# Allegro board RK_EVB7_RK3588_LP4XD200P232SD8_V11_20230111YWQ.brd (continued)
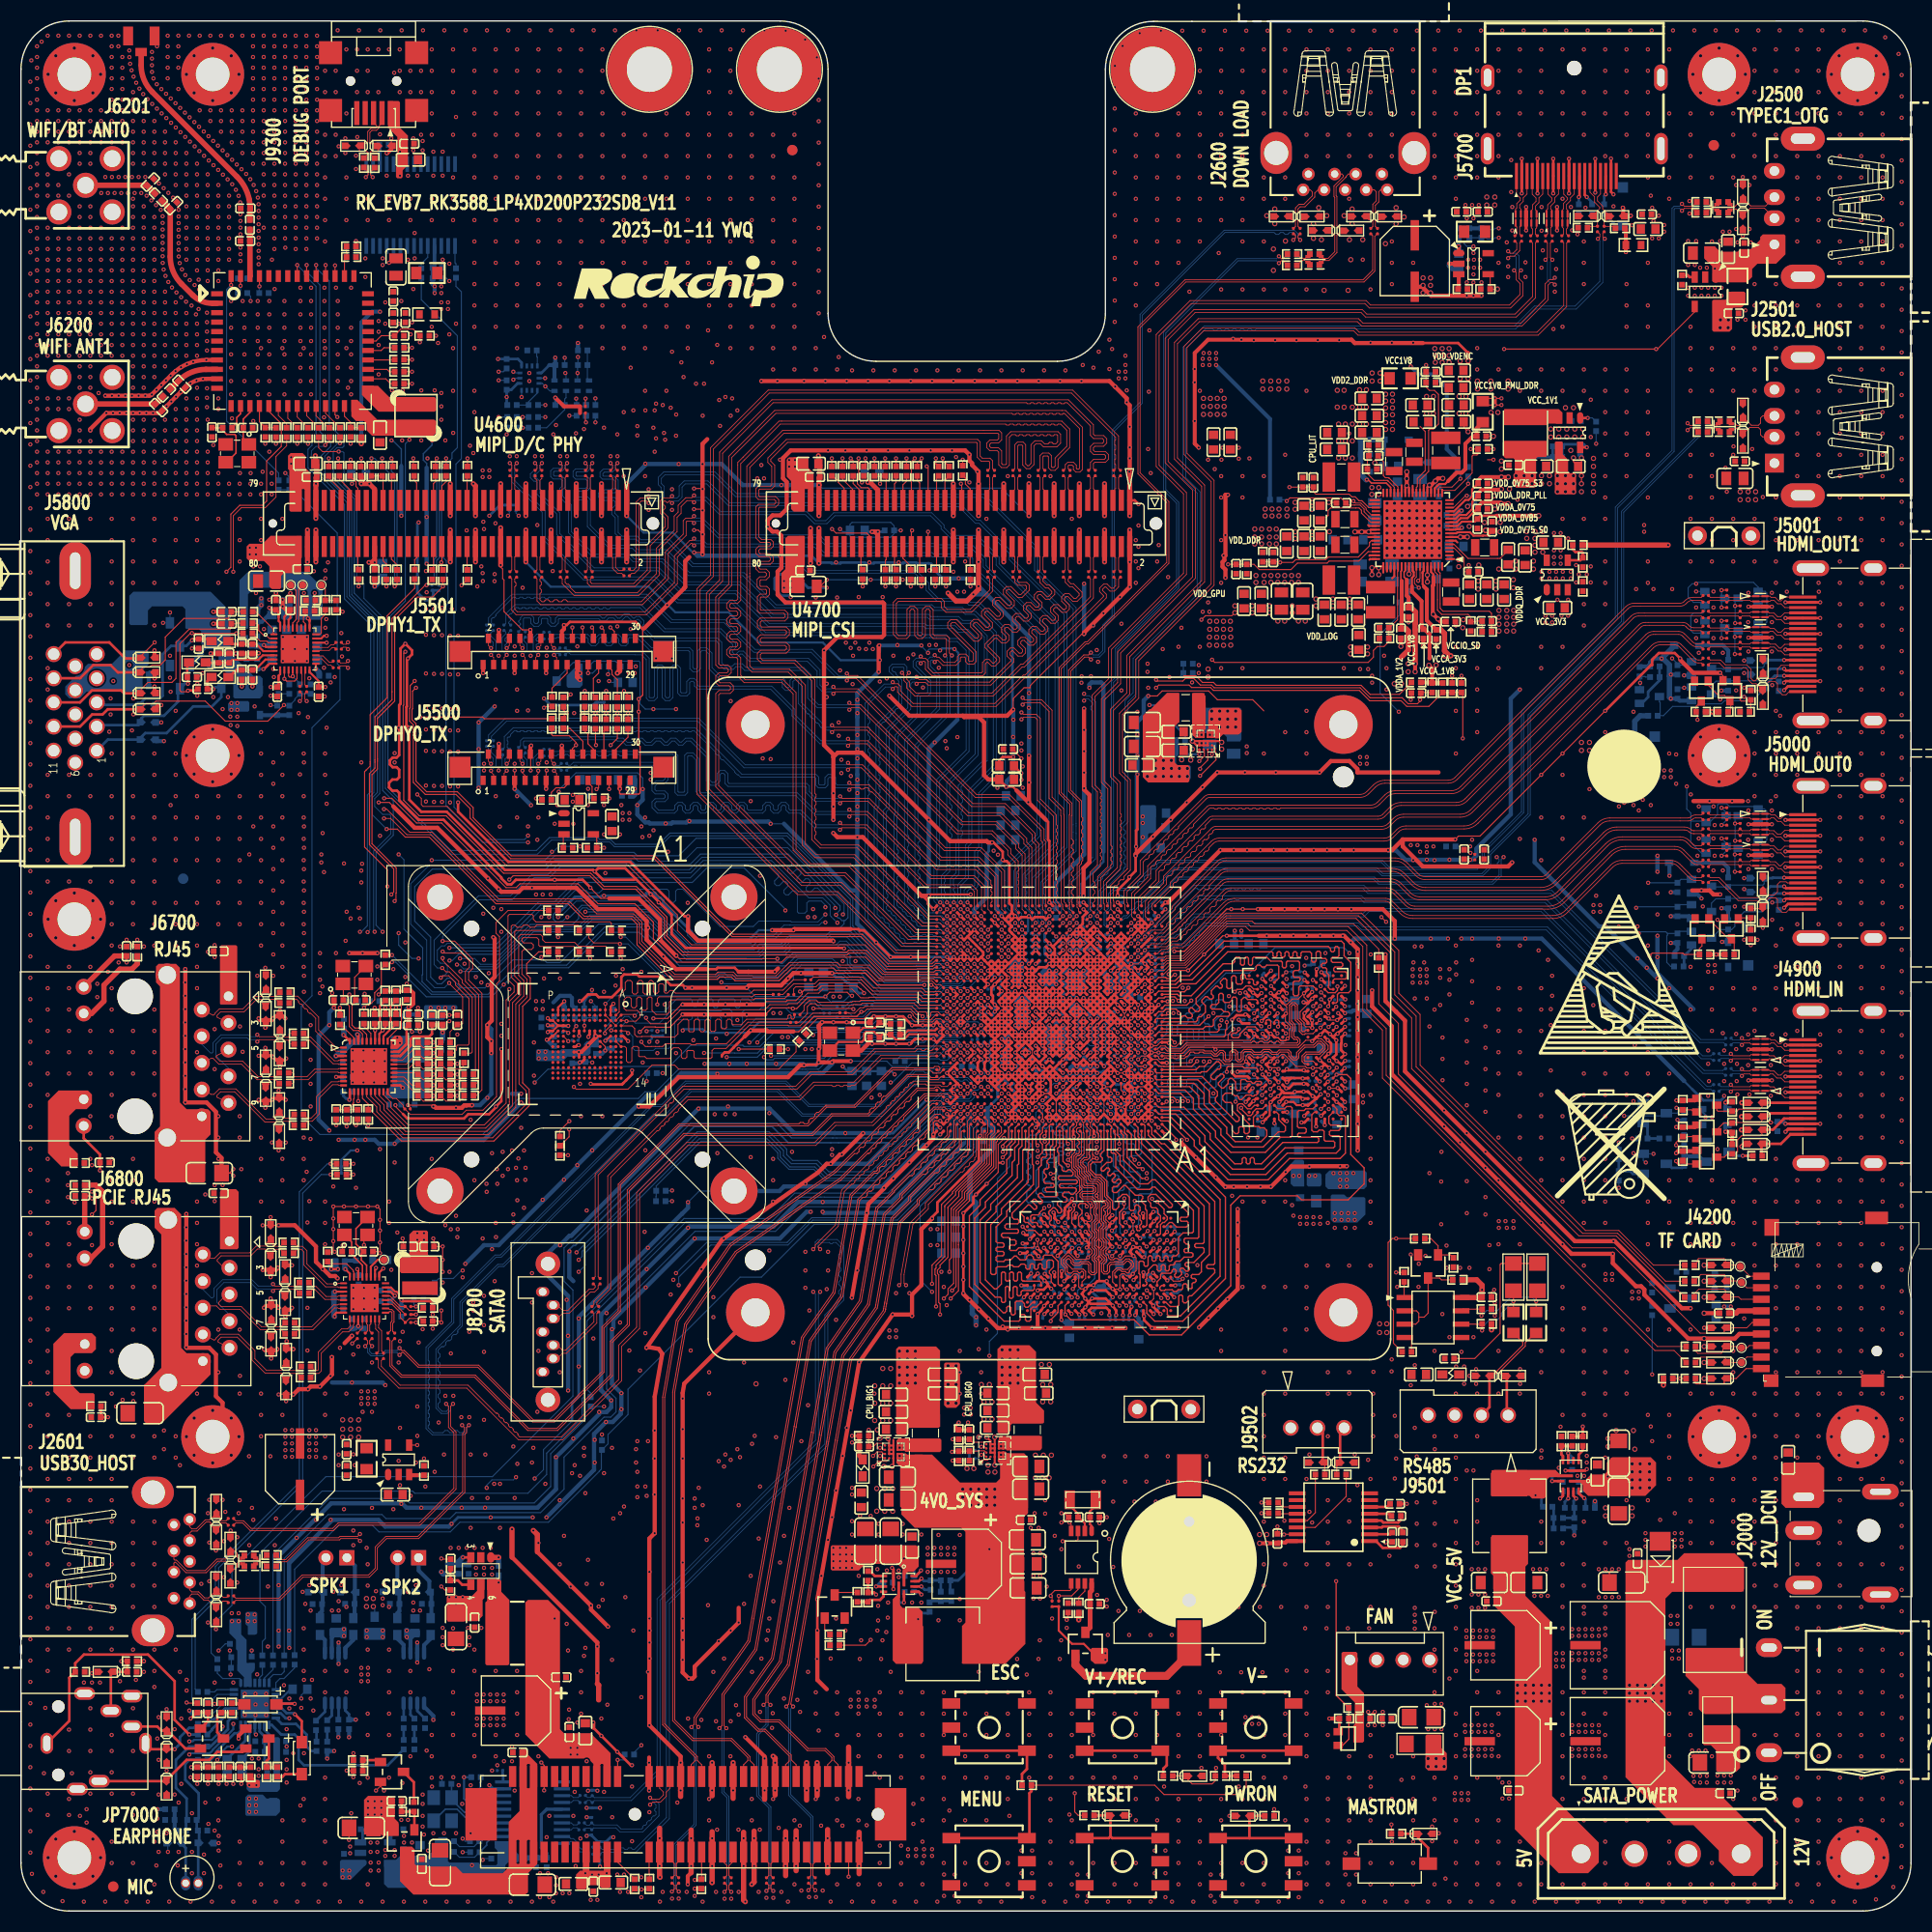
[diagram p0: board, top side]
## Routing (per net, layer and track width the routed paths; a pad name or vN(x,y) marks a point on that pad's centre or on a via; arc(x,y) is an arc through that point) (continued)
GMAC1_RXDV_CRS: length 77.9
  TOP w0.086: R6741.2 41.17,81.7 41.48,82.01 41.48,82.36 41.58,82.46 42.56,82.46 42.66,82.57 42.66,86.89 41.37,88.18 41.37,88.43 40.74,89.07 40.16,89.07 v1(39.98,88.89)
  TOP w0.089: v1(90.14,92.15) U1000.AH29
  L3-POWER1 w0.079: v1(76.61,95.6) 76.99,95.98 77.36,95.98 85.65,95.98 87.2,94.43 88.33,94.43 88.52,94.24 88.52,93.97 88.71,93.78 88.98,93.78 89.17,93.59 89.17,93.32 89.36,93.13 89.63,93.13 90.14,92.61 v1(90.14,92.15)
  BOTTOM w0.086: v1(76.61,95.6) 76.61,95.8 76.22,96.18 75.02,96.18 74.84,96 74.84,95.22 74.66,95.04 74.07,95.04 73.94,95.16 73.94,96.94 73.73,97.15 73.47,97.15 73.09,96.78 72.84,96.78 72.65,96.96 72.65,97.22 73.03,97.59 73.03,97.85 72.85,98.04 72.59,98.04 72.21,97.66 71.95,97.66 71.77,97.84 71.77,98.1 72.14,98.48 72.14,98.74 71.15,99.74 66.62,99.74 65.09,99.74 63.75,98.39 53.1,98.39 50.81,96.11 49.3,96.11 45.24,92.04 41.13,92.04 41,92.17 40.6,92.17 40.35,91.91 40.05,91.91 39.65,91.52 39.65,90.57 39.95,90.26 40.36,90.26 40.61,90.01 40.61,89.39 40.35,89.12 40.34,89.12 40.28,89.07 40.16,89.07 v1(39.98,88.89)
GMAC1_TXCLK: length 34.5
  TOP w0.086: R1514.2 46.38,95.29 45.24,94.15 45.24,93.12 45.57,92.79 45.57,88.58 45.29,88.31 45.29,77.56 43.99,76.27 42.41,76.27 42,75.86 37.09,75.86 C6713.1 36.56,76.4 36.4,76.56 36.4,76.73 35.74,77.38 35.4,77.38 34.92,77.86 U6700.20
GMAC1_TXD0: length 40.1
  TOP w0.086: U6700.18 34.12,77.65 34.88,76.9 34.88,76.43 36.74,74.56 44.25,74.56 46.51,76.81 46.51,77.07 46.51,77.07 46.51,86.63 47.27,87.39 47.27,88.36 46.69,88.94 46.69,93.79 46.79,93.89 47.04,93.89 47.24,93.69 47.66,93.69 47.86,93.89 48.29,93.89 48.49,93.69 48.91,93.69 49.11,93.89 53.06,93.89 53.17,93.79 R1515.2
GMAC1_TXD1: length 36.6
  TOP w0.086: U6700.17 33.72,77.62 34.57,76.77 34.57,76.3 36.62,74.25 44.38,74.25 46.82,76.69 46.82,77.2 46.82,86.5 47.58,87.27 47.58,88.49 47.02,89.05 47.02,93.26 47.14,93.39 R1516.2
GMAC1_TXD2: length 43.6
  TOP w0.086: R1512.2 55.68,91.89 53.08,91.89 52.73,92.24 49.94,92.24 49.68,92.5 49.68,92.8 49.48,93 47.6,93 47.4,92.8 47.4,89.1 47.88,88.61 47.88,87.14 47.12,86.38 47.12,78.15 47.12,76.56 44.51,73.94 36.49,73.94 34.19,76.25 34.19,76.71 33.32,77.58 U6700.16
GMAC1_TXD3: length 43.6
  TOP w0.086: U6700.15 32.92,77.55 33.88,76.59 33.88,76.12 36.36,73.64 44.91,73.64 48.09,76.81 48.09,78.12 47.43,78.78 47.43,86.25 48.19,87.01 48.19,88.74 47.7,89.23 47.7,91.39 47.89,91.57 48.61,91.57 48.79,91.75 48.79,92.01 48.61,92.19 47.89,92.19 47.7,92.38 47.7,92.59 47.81,92.7 49.13,92.7 49.31,92.51 49.31,91.97 49.42,91.86 52.66,91.86 R1513.2
GMAC1_TXEN: length 43.9
  TOP w0.086: R1517.2 56.22,94.09 56.11,94.2 49.05,94.2 48.79,94.45 48.79,94.78 48.67,94.91 46.51,94.91 46.38,94.78 46.38,88.69 46.96,88.1 46.96,87.52 46.2,86.76 46.2,76.94 44.13,74.87 36.87,74.87 35.2,76.53 35.2,77.06 34.52,77.74 U6700.19
GPIO1_C4: length 38
  TOP w0.089: U1000.E30 v1(89.49,76.55)
  BOTTOM w0.089: 86.42,74.62 86.8,75.01 86.8,75.24 87.53,75.97 87.53,76.24 87.91,76.62 88.45,76.62 88.71,76.88 89.17,76.88 v1(89.49,76.55)
  BOTTOM w0.104: R1530.1 60.48,68.03 60.5,68.05 R1531.1 60.5,69.05 64.77,73.32 70.96,73.32 72.08,72.21 72.08,71.7 73.14,70.63 75.51,70.63 76.59,69.55 80.98,69.55 80.98,69.55 81.17,69.55 81.17,69.55 81.35,69.55 86.42,74.62
GPIO1_C7: length 130.3
  TOP w0.104: U4700.49 86.39,137.45 v1(86.26,137.58)
  L3-POWER1 w0.104: v1(55.52,48.05) 55.52,51.86 58.75,55.08 58.75,63.07 60,64.33 60,69.45 60.33,69.77 60.33,76.37 63.59,79.63 63.59,83.22 63.8,83.42 63.8,86.8 62.89,87.71 62.89,91.28 61.78,92.39 61.64,92.53 61.64,92.94 61.13,93.45 61.13,94.34 61.64,94.85 61.64,100.25 61.91,100.52 62.08,100.69 62.08,113.5 61.18,114.4 61.18,120.25 60.65,120.78 60.65,127.72 61.31,128.39 61.31,137.43 60.97,137.78 60.97,140.49 61.24,140.76 v1(61.24,140.77)
  L6-S2 w0.104: v1(86.26,137.58) 86.26,138.6 84.8,140.05 66.08,140.05 66.01,140.12 62,140.12 61.36,140.77 v1(61.24,140.77)
  BOTTOM w0.104: v1(55.52,48.05) R1535.2
GPIO1_D4: length 131.1
  TOP w0.104: U4700.53 84.79,138.02 v1(85.12,138.34)
  L3-POWER1 w0.104: v1(55.33,45.38) 55.38,45.38 59.99,49.99 59.99,60.47 60.24,60.71 60.24,69.35 60.56,69.68 60.56,76.27 63.88,79.59 63.88,81.19 64.67,81.98 64.67,89.83 61.87,92.63 61.87,93.04 61.36,93.55 61.36,94.24 61.87,94.75 61.87,100.16 62.01,100.29 62.31,100.6 62.31,113.59 61.41,114.5 61.41,120.4 60.88,120.93 60.88,127.62 61.59,128.33 61.59,128.52 61.55,128.57 61.55,137.53 61.35,137.73 v1(61.35,140.12)
  L6-S2 w0.104: v1(85.12,138.34) 85.12,139.23 84.53,139.82 65.98,139.82 65.92,139.89 61.58,139.89 v1(61.35,140.12)
  BOTTOM w0.104: R1534.2 v1(55.33,45.38)
GPIO1_D5: length 47.6
  TOP w0.089: U1000.G26 v1(92.09,78.5)
  TOP w0.104: R1532.1 R1533.1 52.2,73.74 v1(52.2,74.44)
  L6-S2 w0.089: v1(92.09,78.5) 91.77,78.18 91.31,78.18 91.12,77.99 91.12,77.72 91.12,77.72 91.12,77.57 90.8,77.26 88.8,77.26 88.16,76.62 87.25,76.62 86.42,75.79
  L6-S2 w0.104: v1(52.2,74.44) 52.55,74.44 52.88,74.78 72.59,74.78 76.65,70.72 81.35,70.72 86.42,75.79
GPIO4_C2: length 111.7
  TOP w0.089: U1000.AE31 v1(88.84,90.2)
  L6-S2 w0.104: v1(36.99,140.12) 37.5,140.63 40.48,140.63 41.75,141.9 47.4,141.9 v1(47.78,142.28)
  BOTTOM w0.089: 86.46,90.37 87.43,90.37 87.59,90.53 88.52,90.53 v1(88.84,90.2)
  BOTTOM w0.104: v1(36.99,140.12) 36.6,139.74 36.6,124.76 34.95,123.1 34.95,106.99 40.94,101 49.1,101 50.32,102.22 52.09,102.22 54.94,102.22 55.12,102.04 56.16,102.04 56.61,101.59 60.73,101.59 61.8,102.66 73,102.66 79.22,96.44 79.22,93.81 82.66,90.37 86.46,90.37 ; R1924.1 v1(47.78,142.28) R9011.2
GPIO4_C6: length 102.4
  TOP w0.089: 80.16,93 82.7,90.46 86.64,90.46 87.02,90.85 87.55,90.85 U1000.AF33
  TOP w0.104: 80.16,93 80.14,93.03 67.82,93.03 60.35,100.5 46.69,100.5 43.06,104.12 43.06,105.08 41.55,106.59 38.63,106.59 37.62,107.6 37.62,113.07 37.24,113.45 37.24,114.44 37.29,114.5 37.29,116.18 v1(37.62,116.5)
  L3-POWER1 w0.104: v1(37.62,116.5) 37.55,116.56 37.55,116.67 37.87,116.98 37.87,131.62 37.43,132.06 37.43,133.96 38.76,135.3 38.76,137.58 39.14,137.96 39.14,139.23 39.65,139.74 39.65,140.25 40.17,140.77 v1(41.16,140.77)
  L6-S2 w0.104: v1(47.78,141.26) 47.4,141.65 42.06,141.65 41.17,140.76 41.17,140.77 v1(41.16,140.77)
  BOTTOM w0.104: R9010.2 v1(47.78,141.26) R1923.1
GSENSOR_INT: length 4.4
  L3-POWER1 w0.104: v1(47.67,144.19) 49.58,142.28 v1(49.94,142.28)
  BOTTOM w0.104: U9000.4 v1(47.67,144.19) ; R9011.1 v1(49.94,142.28)
HDMI0_EARC+: length 11.5
  TOP w0.076: J5000.14 168.22,97.91 168.11,98.02 167.52,98.02 167.28,97.78 167.28,97.07 166.99,96.77 166.33,96.77 ED5005.1 165.87,97.2 165.66,96.99 165.66,96.71 165.46,96.51 163.65,96.51 161.75,98.41 160.88,98.41 C5000.2
HDMI0_EARC-: length 13.2
  TOP w0.076: ED5006.1 166.27,95.95 166.27,96.28 166.48,96.49 167.11,96.49 167.28,96.32 167.28,95.56 167.74,95.1 168.1,95.1 168.41,95.41 J5000.19 ; ED5006.1 165.66,95.75 165.66,96.03 165.46,96.23 163.54,96.23 161.63,98.14 160.88,98.14 C5001.2 ; ED5006.1 165.81,95.49 R5016.2
HDMI0_TX0N_PORT: length 9.6
  TOP w0.076: J5000.9 167.98,100.41 167.62,100.77 167.23,100.77 166.84,101.16 166.57,101.16 166.46,101.05 ED5001.9 ED5001.2 164.76,101.05 164.65,101.16 162.62,101.16 R5013.1 162.28,101.18 160.88,101.18 C5007.2
HDMI0_TX0N_PORT/EDP0_TX_D0N: length 57.2
  TOP w0.076: C5007.1 160.03,101.18 159.54,101.18 arc(159.26,101.24) 159.03,101.39 158.65,101.77 arc(158.38,101.96) 158.05,102.02 152.51,102.02 arc(151.75,101.87) 151.1,101.44 146.53,96.86 arc(145.91,96.45) 145.19,96.31 133.22,96.31 arc(132.65,96.42) 132.16,96.74 131.24,97.66 arc(130.84,97.93) 130.37,98.03 114.95,98.03 arc(114.68,97.97) 114.46,97.82 111.04,94.41 111.04,94.35 111.04,94.35 111.04,94.3 110.88,94.13 110.83,94.13 110.77,94.13 110.61,93.97 110.61,93.91 110.61,93.91 110.61,93.86 110.44,93.7 110.39,93.7 110.33,93.7 110.17,93.53 110.17,93.48 110.17,93.48 110.17,93.42 110.01,93.26 109.95,93.26 109.89,93.26 109.77,93.13 109.67,93.13 109.03,92.49 108.68,92.49 U1000.AJ1
HDMI0_TX0P_PORT: length 9.6
  TOP w0.076: C5006.2 160.88,101.46 162.28,101.46 R5014.1 162.66,101.44 164.65,101.44 164.76,101.55 ED5001.1 ED5001.10 166.46,101.55 166.57,101.44 166.95,101.44 167.34,101.05 167.61,101.05 167.97,101.41 J5000.7
HDMI0_TX0P_PORT/EDP0_TX_D0P: length 57.7
  TOP w0.076: U1000.AJ2 108.2,92.66 108.31,92.77 108.91,92.77 109.55,93.41 109.65,93.41 114.26,98.02 arc(114.57,98.23) 114.95,98.31 130.37,98.31 arc(130.95,98.19) 131.44,97.86 132.36,96.94 arc(132.75,96.68) 133.22,96.59 145.19,96.59 arc(145.81,96.71) 146.33,97.06 150.91,101.64 arc(151.64,102.13) 152.51,102.3 158.05,102.3 arc(158.48,102.21) 158.85,101.97 159.23,101.59 arc(159.37,101.5) 159.54,101.46 160.03,101.46 C5006.1
HDMI0_TX1N_PORT: length 9.6
  TOP w0.076: J5000.6 169.19,101.91 167.98,101.91 167.62,102.27 167.17,102.27 166.84,102.61 166.5,102.61 166.39,102.49 ED5000.6 ED5000.5 164.76,102.49 164.65,102.61 163.91,102.61 163.73,102.43 R5011.1 163.55,102.61 160.88,102.61 C5005.2
HDMI0_TX1N_PORT/EDP0_TX_D1N: length 58.6
  TOP w0.076: C5005.1 160.03,102.61 159.35,102.61 arc(159.34,102.61) 159.33,102.61 159.26,102.61 arc(159.06,102.65) 158.9,102.76 158.89,102.77 arc(158.68,102.91) 158.43,102.96 151.99,102.96 arc(151.41,102.84) 150.92,102.51 146.23,97.82 arc(145.54,97.36) 144.73,97.2 133.78,97.2 arc(133.04,97.34) 132.42,97.76 131.57,98.61 arc(131.12,98.91) 130.58,99.02 114.9,99.02 arc(114.56,98.95) 114.27,98.76 113.17,97.66 113.17,97.44 113.01,97.28 112.79,97.28 112.63,97.12 112.63,96.9 112.47,96.74 112.25,96.74 112.09,96.58 112.09,96.36 111.93,96.19 111.71,96.19 111.55,96.03 111.55,95.81 111.38,95.65 111.17,95.65 111,95.49 111,95.27 110.84,95.11 110.62,95.11 110.46,94.95 110.46,94.73 110.3,94.57 110.08,94.57 109.92,94.41 109.92,94.19 109.76,94.02 109.54,94.02 109.4,93.88 109.4,93.7 108.82,93.13 U1000.AK2
HDMI0_TX1P_PORT: length 9.6
  TOP w0.076: C5004.2 160.88,102.89 163.55,102.89 R5012.1 163.73,103.06 163.91,102.88 164.65,102.88 164.76,102.99 ED5000.4 ED5000.7 166.41,102.99 166.52,102.88 166.95,102.88 167.29,102.55 167.61,102.55 167.97,102.91 169.32,102.91 J5000.4
HDMI0_TX1P_PORT/EDP0_TX_D1P: length 58.5
  TOP w0.076: U1000.AK3 107.55,93.31 107.66,93.42 108.72,93.42 109.12,93.82 109.12,94 114.07,98.95 arc(114.45,99.21) 114.9,99.3 130.58,99.3 arc(131.22,99.17) 131.77,98.81 132.61,97.96 arc(133.15,97.6) 133.78,97.48 144.73,97.48 arc(145.43,97.62) 146.03,98.01 150.72,102.71 arc(151.3,103.1) 151.99,103.23 158.43,103.23 arc(158.79,103.16) 159.09,102.96 159.09,102.96 arc(159.17,102.9) 159.26,102.89 159.35,102.89 159.35,102.89 160.03,102.89 C5004.1
HDMI0_TX2N_PORT: length 9.6
  TOP w0.076: C5003.2 160.88,104.1 162.28,104.1 R5009.1 162.64,104.1 164.65,104.1 164.76,103.99 ED5000.2 ED5000.9 166.55,103.99 166.66,104.1 166.95,104.1 167.29,103.77 167.62,103.77 167.98,103.41 J5000.3
HDMI0_TX2N_PORT/EDP0_TX_D2N: length 57.5
  TOP w0.076: C5003.1 160.03,104.1 159.49,104.1 arc(159.34,104.08) 159.22,103.99 arc(159.02,103.86) 158.8,103.82 151.31,103.82 arc(150.81,103.72) 150.38,103.43 145.67,98.73 145.44,98.49 arc(145.15,98.3) 144.81,98.23 133.71,98.23 arc(133.25,98.32) 132.87,98.58 131.84,99.6 arc(131.39,99.9) 130.86,100.01 114.74,100.01 arc(114.38,99.94) 114.07,99.73 109.9,95.56 109.9,95.37 108.54,94.01 108.54,93.9 U1000.AL1
HDMI0_TX2P_PORT: length 9.6
  TOP w0.076: C5002.2 160.88,104.38 162.28,104.38 R5010.1 162.64,104.38 164.59,104.38 164.7,104.49 ED5000.1 ED5000.10 166.55,104.49 166.66,104.38 167.07,104.38 167.4,104.05 167.61,104.05 167.97,104.41 J5000.1
HDMI0_TX2P_PORT/EDP0_TX_D2P: length 58
  TOP w0.076: U1000.AL2 108.21,93.98 108.21,94.07 109.62,95.48 109.62,95.68 113.88,99.93 arc(114.27,100.19) 114.74,100.29 130.86,100.29 arc(131.5,100.16) 132.04,99.8 133.07,98.78 arc(133.36,98.58) 133.71,98.51 144.81,98.51 arc(145.04,98.56) 145.24,98.69 145.48,98.93 150.18,103.63 arc(150.7,103.98) 151.31,104.1 158.8,104.1 arc(158.92,104.12) 159.02,104.19 arc(159.23,104.33) 159.49,104.38 160.03,104.38 C5002.1
HDMI0_TX3N_PORT: length 9.6
  TOP w0.076: C5009.2 160.9,99.66 163.55,99.66 R5007.1 163.91,99.66 164.65,99.66 164.76,99.55 ED5001.5 ED5001.6 166.46,99.55 166.56,99.65 166.98,99.65 167.36,99.27 167.62,99.27 167.98,98.91 169.44,98.91 169.44,98.91 J5000.12
HDMI0_TX3N_PORT/EDP0_TX_D3N: length 58.8
  TOP w0.076: C5009.1 160,99.66 159.6,99.66 arc(159.37,99.7) 159.17,99.84 158.17,100.84 arc(157.86,101.04) 157.51,101.11 152.81,101.11 arc(152.09,100.97) 151.49,100.56 146.98,96.05 arc(146.27,95.58) 145.44,95.42 132.76,95.42 arc(132.26,95.52) 131.83,95.8 130.83,96.81 130.75,96.89 arc(130.45,97.09) 130.09,97.16 115.22,97.16 arc(114.94,97.11) 114.7,96.95 114.42,96.67 114.42,96.4 114.26,96.24 113.99,96.24 113.83,96.08 113.83,95.81 113.67,95.65 113.4,95.65 113.24,95.49 113.24,95.22 113.08,95.06 112.81,95.06 112.65,94.9 112.65,94.63 112.49,94.47 112.23,94.47 112.06,94.31 112.06,94.05 111.9,93.88 111.64,93.88 111.51,93.76 111.51,93.62 111.35,93.46 111.21,93.46 111.05,93.3 111.05,93.16 110.89,93 110.75,93 110.59,92.83 110.59,92.7 110.43,92.54 110.29,92.54 110.12,92.37 109.67,92.37 109.13,91.84 108.03,91.84 U1000.AH2
HDMI0_TX3P_PORT: length 9.6
  TOP w0.076: C5008.2 160.85,99.94 163.55,99.94 R5008.1 163.91,99.94 164.65,99.94 164.76,100.05 ED5001.4 ED5001.7 166.46,100.05 166.58,99.93 167.09,99.93 167.47,99.55 167.61,99.55 167.97,99.91 169.19,99.91 J5000.10
HDMI0_TX3P_PORT/EDP0_TX_D3P: length 58.5
  TOP w0.076: U1000.AH3 107.55,92.01 107.65,92.12 107.89,92.12 107.9,92.12 108.14,92.12 108.14,92.12 109.02,92.12 109.55,92.65 110.01,92.65 114.5,97.14 arc(114.83,97.36) 115.22,97.44 130.09,97.44 arc(130.55,97.35) 130.95,97.08 131.03,97 132.03,96 arc(132.37,95.78) 132.76,95.7 145.44,95.7 arc(146.17,95.84) 146.78,96.25 151.29,100.76 arc(151.99,101.23) 152.81,101.39 157.51,101.39 arc(157.97,101.3) 158.37,101.03 159.37,100.03 arc(159.47,99.96) 159.6,99.94 160.05,99.94 C5008.1
HDMI0_TX_CEC_PORT: length 9.4
  TOP w0.254: J5000.13 v1(167.92,98.41)
  BOTTOM w0.104: Q5002.3 161.06,97.53 R5018.2 162.76,97.7 165.89,97.7 166.01,97.83 ED5004.1
  BOTTOM w0.254: v1(167.92,98.41) 166.84,98.41 166.8,98.37 166.04,98.37 ED5004.1
HDMI0_TX_ON_H: length 95.3
  TOP w0.089: U1000.AL24 v1(93.39,94.1)
  L6-S2 w0.089: 93.08,96.28 93.08,94.9 93.07,94.89 93.07,94.62 93.26,94.43 93.28,94.43 93.39,94.32 v1(93.39,94.1)
  L6-S2 w0.104: v1(158.65,107.1) 158.27,106.72 154.87,106.72 154.49,107.1 154.17,107.1 154.15,107.08 151.25,107.08 150.51,106.34 130.05,106.34 129.22,105.51 112.13,105.51 111.68,105.96 111.41,106.24 105.15,106.24 104.4,105.49 99.45,105.49 94.61,100.65 94.61,97.95 93.08,96.42 93.08,96.28
  BOTTOM w0.104: 159.03,103.8 160.35,103.8 Q5004.1 160.79,103.66 161.57,104.43 161.57,105.35 161.67,105.45 162.46,105.45 162.71,105.2 165.2,105.2 Q5005.1 166.04,104.96 166.27,104.73 166.27,102.02 166.11,101.86 Q5003.1 ; 159.03,103.8 159.03,104.56 158.65,104.94 v1(158.65,107.1) ; 159.03,103.8 159.03,101.77 159.16,101.64 160.06,100.74 Q5006.1
HDMI0_TX_SBDN/EDP0_TX_AUXN: length 56.9
  TOP w0.076: U1000.AG1 108.79,91.3 109.29,91.3 109.73,91.75 109.85,91.75 109.96,91.75 110.08,91.75 110.08,91.75 110.12,91.75 110.13,91.73 110.64,91.73 114.75,95.84 arc(115.11,96.08) 115.53,96.17 129.95,96.17 arc(130.18,96.12) 130.38,95.99 131.35,95.01 arc(131.89,94.65) 132.52,94.53 145.9,94.53 arc(146.65,94.68) 147.28,95.1 151.59,99.41 arc(152,99.68) 152.47,99.78 157.12,99.78 arc(157.49,99.7) 157.79,99.5 157.98,99.32 158.93,98.36 arc(159.18,98.19) 159.48,98.14 160.02,98.14 C5001.1
HDMI0_TX_SBDP/EDP0_TX_AUXP: length 57.6
  TOP w0.076: U1000.AG2 108.22,91.18 108.63,91.58 109.17,91.58 109.62,92.03 109.96,92.03 109.96,92.03 110.08,92.03 110.19,92.03 110.19,92.03 110.24,92.03 110.25,92.01 110.53,92.01 114.55,96.04 arc(115,96.34) 115.53,96.45 129.95,96.45 arc(130.29,96.38) 130.58,96.19 131.55,95.21 arc(132,94.91) 132.52,94.81 145.9,94.81 arc(146.54,94.94) 147.08,95.3 151.4,99.61 arc(151.89,99.94) 152.47,100.06 157.12,100.06 arc(157.59,99.96) 157.99,99.7 158.17,99.51 159.13,98.56 arc(159.29,98.45) 159.48,98.41 160.02,98.41 C5000.1
HDMI0_TX_SCL_PORT: length 10.4
  TOP w0.254: v1(167.92,97.58) 168.09,97.41 J5000.15
  BOTTOM w0.104: ED5003.1 166.05,96.73 165.76,96.43 162.62,96.43 R5001.2 161.41,96.4 161,95.99 Q5000.3
  BOTTOM w0.254: v1(167.92,97.58) 166.61,97.58 ED5003.1
HDMI0_TX_SDA_PORT: length 11.1
  TOP w0.254: J5000.16 v1(167.92,96.91)
  BOTTOM w0.104: Q5001.3 161.82,93.47 R5004.2 162.92,93.47 163.22,93.77 163.22,94.27 164.11,95.16 165.78,95.16 165.89,95.27 165.89,95.58 ED5002.1
  BOTTOM w0.254: ED5002.1 166.07,95.98 167,96.91 v1(167.92,96.91)
HDMI1_EARC+: length 11.9
  TOP w0.076: J5001.14 167.64,118.64 167.28,118.28 167.28,117.59 167.08,117.39 166.43,117.39 ED5013.1 165.16,117.16 164.99,117.16 164.77,117.38 164.77,118.27 164.35,118.68 162.32,118.68 161.86,119.14 160.88,119.14 C5015.2
HDMI1_EARC-: length 13.3
  TOP w0.076: J5001.19 168.41,116.14 168.1,115.83 167.74,115.83 167.28,116.28 167.28,116.88 167.06,117.11 166.5,117.11 166.14,116.75 166.14,116.51 ED5009.1 ; ED5009.1 165.87,116.27 165.25,116.88 164.87,116.88 164.49,117.26 164.49,118.15 164.24,118.4 162.2,118.4 161.75,118.86 160.88,118.86 C5016.2 ; ED5009.1 164.76,116.23 R5036.2
HDMI1_TX0N_PORT: length 9.6
  TOP w0.076: J5001.9 167.98,121.14 167.62,121.5 167.23,121.5 166.84,121.88 166.57,121.88 166.46,121.77 ED5008.9 ED5008.2 164.76,121.77 164.65,121.88 162.62,121.88 R5033.1 162.28,121.91 160.88,121.91 C5021.2
HDMI1_TX0N_PORT/EDP1_TX_D0N: length 66.7
  TOP w0.076: C5021.1 160,121.94 159.28,121.94 arc(158.98,121.99) 158.73,122.16 158.6,122.29 158.57,122.32 arc(158.43,122.41) 158.27,122.44 154.69,122.44 arc(154.46,122.4) 154.27,122.27 137.89,105.89 137.73,105.73 arc(137.25,105.41) 136.68,105.29 131.43,105.29 arc(130.97,105.2) 130.58,104.94 129.88,104.24 arc(129.59,104.05) 129.25,103.98 113.47,103.98 arc(113.39,103.97) 113.32,103.92 112.8,103.41 112.8,103.16 112.69,103.06 112.57,103.06 112.45,103.06 112.29,102.89 112.29,102.77 112.29,102.65 112.13,102.49 112.01,102.49 111.89,102.49 111.73,102.33 111.73,102.21 111.73,102.21 111.73,102.09 111.57,101.93 111.45,101.93 111.33,101.93 111.16,101.77 111.16,101.65 111.16,101.65 111.16,101.53 111,101.37 110.88,101.37 110.76,101.37 110.6,101.2 110.6,101.08 110.6,100.96 110.44,100.8 110.32,100.8 110.2,100.8 110.04,100.64 110.04,100.52 110.04,100.52 110.04,100.4 109.88,100.24 109.75,100.24 109.64,100.24 109.47,100.08 109.47,99.96 109.47,99.96 109.47,99.84 109.31,99.68 109.19,99.68 109.07,99.68 108.91,99.51 108.91,99.39 108.91,99.27 108.75,99.11 108.63,99.11 108.51,99.11 108.38,98.99 108.38,98.08 106.71,96.42 106.71,95.73 U1000.AP4
HDMI1_TX0P_PORT: length 9.6
  TOP w0.076: C5020.2 160.88,122.19 162.28,122.19 R5034.1 162.66,122.16 164.65,122.16 164.76,122.27 ED5008.1 ED5008.10 166.46,122.27 166.57,122.16 166.95,122.16 167.34,121.78 167.61,121.78 167.97,122.14 J5001.7
HDMI1_TX0P_PORT/EDP1_TX_D0P: length 66.7
  TOP w0.076: C5020.1 160.05,122.21 159.28,122.21 arc(159.09,122.25) 158.92,122.36 158.8,122.49 158.77,122.51 arc(158.54,122.67) 158.27,122.72 154.69,122.72 arc(154.36,122.66) 154.08,122.47 137.69,106.09 137.53,105.93 arc(137.14,105.66) 136.68,105.57 131.43,105.57 arc(130.86,105.46) 130.38,105.14 129.69,104.44 arc(129.49,104.31) 129.25,104.26 113.47,104.26 arc(113.28,104.23) 113.12,104.12 108.1,99.1 108.1,98.2 106.44,96.53 106.44,95.86 106.43,95.85 106.43,95.37 106.53,95.26 U1000.AN4
HDMI1_TX1N_PORT: length 9.6
  TOP w0.076: C5019.2 160.88,123.33 163.55,123.33 R5031.1 163.73,123.15 163.91,123.33 164.65,123.33 164.76,123.22 ED5007.5 ED5007.6 166.39,123.22 166.5,123.33 166.84,123.33 167.17,123 167.62,123 167.98,122.64 J5001.6
HDMI1_TX1N_PORT/EDP1_TX_D1N: length 69.1
  TOP w0.076: U1000.AN5 106.06,95.09 106.06,96.81 107.58,98.33 107.58,99.41 107.72,99.55 107.91,99.55 108.07,99.71 108.07,99.8 108.07,99.9 108.24,100.06 108.43,100.06 108.59,100.22 108.59,100.32 108.59,100.41 108.75,100.58 108.94,100.58 109.1,100.74 109.1,100.83 109.1,100.93 109.27,101.09 109.46,101.09 109.62,101.25 109.62,101.35 109.62,101.44 109.78,101.61 109.97,101.61 110.13,101.77 110.13,101.86 110.13,101.96 110.3,102.12 110.49,102.12 110.65,102.28 110.65,102.38 110.65,102.48 110.81,102.64 111,102.64 111.17,102.8 111.17,102.89 111.16,102.99 111.33,103.15 111.52,103.15 111.68,103.31 111.68,103.41 111.68,103.51 113.15,104.98 arc(113.23,105.03) 113.32,105.04 113.59,105.04 113.7,104.94 113.92,104.94 114.03,105.04 114.25,105.04 114.36,104.94 114.58,104.94 114.69,105.04 114.91,105.04 115.02,104.94 115.24,104.94 115.35,105.04 115.57,105.04 115.68,104.94 115.91,104.94 116.01,105.04 116.24,105.04 116.34,104.94 116.57,104.94 116.67,105.04 116.9,105.04 117,104.94 117.23,104.94 117.33,105.04 117.56,105.04 117.66,104.94 117.89,104.94 117.99,105.04 118.22,105.04 118.32,104.94 118.55,104.94 118.65,105.04 118.88,105.04 118.98,104.94 119.21,104.94 119.31,105.04 119.54,105.04 119.64,104.94 119.87,104.94 119.97,105.04 128.55,105.04 arc(128.99,105.13) 129.37,105.39 130.07,106.09 arc(130.43,106.33) 130.86,106.41 136.18,106.41 arc(136.78,106.53) 137.29,106.87 153.55,123.12 arc(153.78,123.28) 154.05,123.33 160.03,123.33 C5019.1
HDMI1_TX1P_PORT: length 9.6
  TOP w0.076: C5018.2 160.88,123.61 163.55,123.61 R5032.1 163.73,123.79 163.91,123.61 164.65,123.61 164.76,123.72 ED5007.4 ED5007.7 166.41,123.72 166.52,123.61 166.95,123.61 167.29,123.28 167.61,123.28 167.97,123.64 J5001.4
HDMI1_TX1P_PORT/EDP1_TX_D1P: length 68.6
  TOP w0.076: C5018.1 160.03,123.61 154.05,123.61 arc(153.67,123.54) 153.35,123.32 137.09,107.07 arc(136.68,106.79) 136.18,106.69 130.86,106.69 arc(130.33,106.58) 129.88,106.28 129.18,105.58 arc(128.89,105.39) 128.55,105.32 113.32,105.32 arc(113.12,105.28) 112.95,105.17 107.3,99.52 107.3,98.45 105.78,96.92 105.78,94.72 U1000.AM5
HDMI1_TX2N_PORT: length 9.6
  TOP w0.076: C5014.2 160.88,124.83 162.28,124.83 R5029.1 162.64,124.83 164.65,124.83 164.76,124.72 ED5007.2 ED5007.9 166.55,124.72 166.66,124.83 166.95,124.83 167.29,124.5 167.62,124.5 167.98,124.14 J5001.3
HDMI1_TX2N_PORT/EDP1_TX_D2N: length 68.9
  TOP w0.076: U1000.AP6 105.42,95.95 105.33,96.04 105.33,97.07 106.87,98.6 106.87,99.92 107.13,100.18 107.27,100.18 107.44,100.34 107.44,100.48 107.6,100.64 107.74,100.64 107.9,100.81 107.9,100.95 108.07,101.11 108.21,101.11 108.37,101.27 108.37,101.42 108.53,101.58 108.68,101.58 108.84,101.74 108.84,101.88 109,102.05 109.14,102.05 109.31,102.21 109.31,102.35 109.47,102.51 109.61,102.51 109.77,102.68 109.77,102.82 109.93,102.98 110.08,102.98 110.24,103.14 110.24,103.29 112.86,105.9 arc(113.03,106.02) 113.24,106.06 127.53,106.06 arc(127.98,106.15) 128.36,106.4 128.99,107.03 arc(129.4,107.31) 129.9,107.41 135.92,107.41 arc(136.38,107.5) 136.78,107.76 153.03,124.02 arc(153.31,124.21) 153.64,124.27 158.01,124.27 arc(158.32,124.33) 158.58,124.51 158.68,124.61 arc(158.93,124.77) 159.22,124.83 160.03,124.83 C5014.1
HDMI1_TX2P_PORT: length 9.6
  TOP w0.076: C5017.2 160.88,125.11 162.28,125.11 R5030.1 162.64,125.11 164.59,125.11 164.7,125.22 ED5007.1 ED5007.10 166.55,125.22 166.66,125.11 167.07,125.11 167.4,124.78 167.61,124.78 167.97,125.14 J5001.1
HDMI1_TX2P_PORT/EDP1_TX_D2P: length 69.5
  TOP w0.076: C5017.1 160.03,125.11 159.22,125.11 arc(158.82,125.03) 158.48,124.8 158.38,124.7 arc(158.21,124.59) 158.01,124.55 153.64,124.55 arc(153.21,124.46) 152.84,124.22 136.58,107.96 arc(136.27,107.76) 135.92,107.69 129.9,107.69 arc(129.3,107.57) 128.79,107.23 128.16,106.6 arc(127.87,106.41) 127.53,106.34 113.24,106.34 arc(112.92,106.28) 112.66,106.1 106.59,100.03 106.59,98.72 105.05,97.18 105.05,95.92 105.13,95.85 105.13,95.37 U1000.AN6
HDMI1_TX3N_PORT: length 9.6
  TOP w0.076: J5001.12 167.98,119.64 167.62,120 167.36,120 166.98,120.38 166.56,120.38 166.46,120.27 ED5008.6 ED5008.5 164.76,120.27 164.65,120.39 163.91,120.39 R5027.1 163.55,120.39 160.9,120.39 C5023.2
HDMI1_TX3N_PORT/EDP1_TX_D3N: length 66.2
  TOP w0.076: C5023.1 160,120.39 159.68,120.39 arc(159.31,120.46) 159,120.67 158.3,121.36 158.23,121.44 arc(158.07,121.54) 157.89,121.58 155.47,121.58 arc(155.19,121.52) 154.94,121.36 138.24,104.65 arc(137.71,104.3) 137.08,104.18 131.66,104.18 arc(131.25,104.09) 130.89,103.86 130.4,103.36 arc(130.02,103.11) 129.57,103.02 113.82,103.02 arc(113.69,102.99) 113.57,102.92 113.52,102.86 113.52,102.74 113.36,102.58 113.24,102.58 113.11,102.45 113.11,102.2 112.95,102.04 112.82,102.04 112.7,102.04 112.54,101.88 112.54,101.63 112.38,101.47 112.25,101.47 112.13,101.47 111.97,101.31 111.97,101.06 111.8,100.9 111.68,100.9 111.56,100.9 111.39,100.74 111.39,100.49 111.23,100.33 111.11,100.33 110.98,100.33 110.82,100.17 110.82,99.92 110.66,99.75 110.54,99.75 110.41,99.75 110.25,99.59 110.25,99.34 110.09,99.18 109.96,99.18 109.84,99.18 109.68,99.02 109.68,98.77 109.52,98.61 109.39,98.61 109.27,98.61 109.09,98.44 109.09,97.78 107.37,96.05 U1000.AN3
HDMI1_TX3P_PORT: length 9.6
  TOP w0.076: C5022.2 160.85,120.66 163.55,120.66 R5028.1 163.91,120.66 164.65,120.66 164.76,120.77 ED5008.4 ED5008.7 166.46,120.77 166.58,120.66 167.09,120.66 167.47,120.28 167.61,120.28 167.97,120.64 J5001.10
HDMI1_TX3P_PORT/EDP1_TX_D3P: length 66.3
  TOP w0.076: C5022.1 160.05,120.66 159.68,120.66 arc(159.42,120.72) 159.2,120.87 158.43,121.63 arc(158.18,121.8) 157.89,121.86 155.47,121.86 arc(155.08,121.78) 154.75,121.56 138.04,104.85 arc(137.6,104.56) 137.08,104.45 131.66,104.45 arc(131.14,104.35) 130.69,104.05 130.2,103.56 arc(129.91,103.36) 129.57,103.3 113.82,103.3 arc(113.58,103.25) 113.38,103.11 108.81,98.55 108.81,97.9 107.09,96.17 107.09,95.21 107.08,95.2 107.08,94.72 U1000.AM3
